# Altium PCB iMX53_BB_PCB_V1I1.PcbDoc (part 5 of 9)
Units mm, origin at the board's own origin, x right, y up, seen from the top; angles counter-clockwise.
Board outline 165 x 100.5 mm, 6 copper layers (Top, GND, SignalH, SignalV, Power, Bottom); 582 components, 590 nets, 2473 pads, 1817 vias.
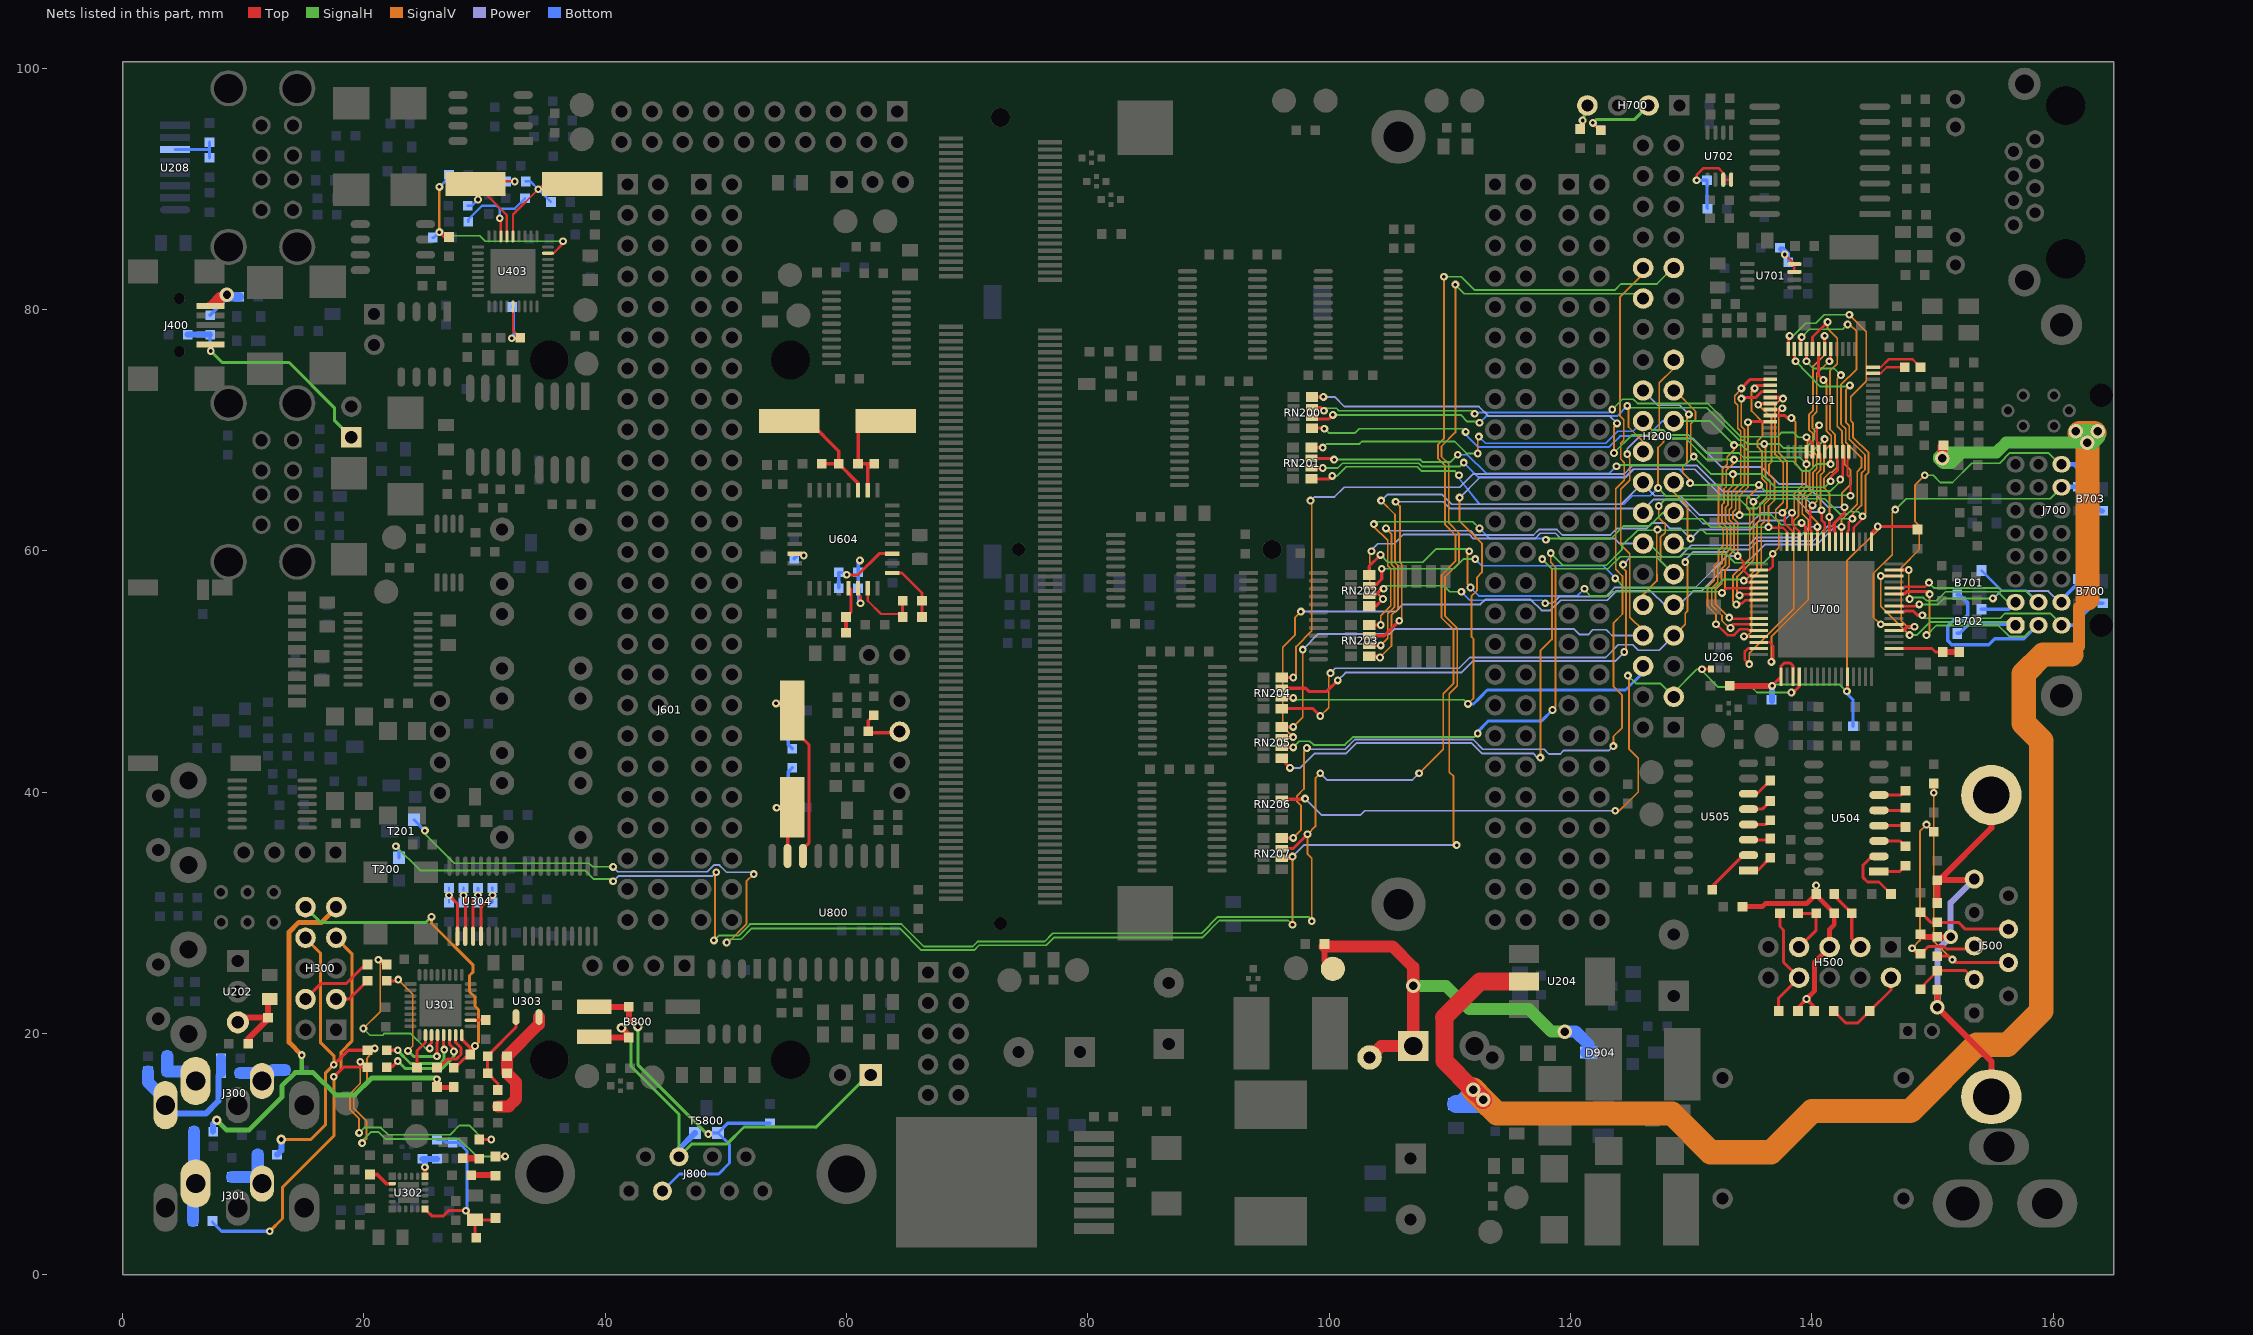
[diagram p9: the nets of this part, all layers, seen from the top]

## Via types
v1: diameter 0.65, hole 0.3, Top to Bottom, tented both sides, 1294 vias
v2: diameter 0.8, hole 0.4, Top to Bottom, tented both sides, 303 vias
v3: diameter 1.2, hole 0.7, Top to Bottom, tented both sides, 213 vias
v4: diameter 0.65, hole 0.3, Top to Bottom, 4 vias
v5: diameter 1.2, hole 0.7, Top to Bottom, 1 vias
v6: diameter 1.27, hole 0.711, Top to Bottom, tented both sides, 1 vias
v7: diameter 0.8, hole 0.4, Top to Bottom, 1 vias

## Nets (pads, with @x,y where several pads share a name; then routed paths per layer and width w, separated by ;. In a path a pad name is that pad's centre, name@x,y a point inside that pad or via, vN(x,y) a via of type N, cw(c..) or ccw(c..) an arc to the next point about the centre after c; other vN are vias at no path point) (continued)
LCLK: H200.3 RN206.7 U206.1 U700.4 | length 59.7
  Top w0.25: RN206.7@96.062,39.4 97.95,39.4 v1(98,39.45) ; v1(130.891,50.171) 130.95,50.2 U206.1@131.65,50.2 ; v1(138.3,48.25) 138.45,48.25 138.95,48.75 U700.4@138.95,49.55
  SignalH w0.15: v1(124.75,49.65) 125.4,49 127.44,49 H200.3@128.55,47.89 128.55,48.25 130.471,50.171 v1(130.891,50.171) 130.848,50.102 132.25,48.7 135,48.7 135.45,48.25 v1(138.3,48.25)
  SignalV w0.15: v1(123.7,38.45) 124.05,38.45 125.6,40 125.6,42.8 124.85,43.55 124.85,49.55 v1(124.75,49.65)
  Power w0.15: v1(98,39.45) 99.35,38.1 102.6,38.1 102.95,38.45 108.75,38.45 v1(123.7,38.45)
LDD0: RN200.8 U201.16 U700.63 | length 68.7
  Top w0.15: U700.63@135.55,51.9 U700.63@135.6,51.9
  Top w0.2: v1(134.8,50.6) 134.45,50.95 134.45,51.65 134.7,51.9 U700.63@135.55,51.9
  Top w0.25: RN200.8@98.562,72.745 v1(99.514,72.745) ; v1(139.55,67.173) U201.16@139.55,68.2
  SignalH w0.15: v1@123.55,68.1 v1@123.575,68.125 ; v1(123.6,68.1) 125.1,69.6 126.4,69.6 126.8,70 127.7,70 128.1,69.6 129.75,69.6 130.644,68.706 131.25,68.1 133.95,68.1 134.33,67.72 139.003,67.72 v1(139.55,67.173)
  SignalV w0.15: v1(123.6,68.1) 123.6,70.3 v1(123.85,70.55) ; v1(134.8,50.6) 134.8,51.5 138.5,55.2 138.5,62.5 138.9,62.9 138.9,64.676 139.5,65.276 139.5,67.123 v1(139.55,67.173)
  Power w0.15: v1(99.514,72.745) 100.455,72.745 101.25,71.95 112.4,71.95 113.2,71.15 123.25,71.15 v1(123.85,70.55)
LDD1: RN200.7 U201.17 U700.62 | length 68.3
  Top w0.15: RN200.7@98.55,71.9 RN200.7@98.562,71.9
  Top w0.2: U700.62@135.6,52.4 136.5,52.4 136.8,52.1 136.8,50.94 v1(136.641,50.78)
  Top w0.25: RN200.7@98.562,71.85 99.3,71.85 v1(99.55,71.6) ; v1(139.55,69.4) 140.05,68.9 U201.17@140.05,68.2
  SignalH w0.15: v1(99.55,71.6) 99.6,71.6 99.8,71.8 100.6,71.8 100.8,71.6 111.8,71.6 v1(112.05,71.35) ; v1(123.45,71.7) 124.3,72.55 125.2,72.55 125.55,72.2 131.35,72.2 134.1,69.45 137.15,69.45 137.5,69.8 138.45,69.8 138.85,69.4 v1(139.55,69.4)
  SignalV w0.15: v1(136.641,50.78) 136.654,50.794 136.654,52.913 139.7,55.92 139.7,62.55 139.2,63.05 139.2,64.551 139.8,65.151 139.8,66.497 139.8,66.623 140.1,66.923 140.1,67.6 139.639,68.061 139.639,69.311 v1(139.55,69.4)
  Bottom w0.15: v1(112.05,71.35) 112.4,71.45 123.2,71.45 v1(123.45,71.7)
LDD2: H200.20 RN200.6 U201.18 U700.61 | length 71.2
  Top w0.15: RN200.6@98.562,71.05 RN200.6@98.6,71.05 ; U201.18@140.5,68.25 U201.18@140.55,68.2 U201.18@140.6,68.25 ; v1@140.5,70.35 v1(140.6,70.4)
  Top w0.2: U201.18@140.55,68.2 140.55,68.95 140.4,69.1 140.4,70.2 v1(140.6,70.4)
  Top w0.25: RN200.6@98.562,71.05 98.712,70.9 99.95,70.9 v1(100.3,71.25) ; v1(134.373,52.9) U700.61@135.6,52.9
  SignalH w0.15: v1(100.3,71.25) 110.9,71.25 111.45,70.7 112.35,70.7 v1(112.45,70.6) ; v1(124.7,72) 124.85,71.85 131.276,71.85 133.976,69.15 134.35,69.15 134.65,68.85 v1(136.05,68.85) 137.3,68.85 137.65,68.5 139.45,68.5 140.2,69.25 140.2,70.05 v1(140.6,70.4)
  SignalV w0.15: v1(124.7,72) 124.8,71.9 124.8,70.25 126.01,69.04 H200.20@126.01,68.21 ; v1(134.373,52.9) 134.6,52.9 135,53.3 135,57.676 135.8,58.476 135.8,62.15 136.05,62.4 136.05,63.826 136.55,64.326 136.55,64.35 136.55,65.75 136.15,66.15 136.15,68.75 v1(136.05,68.85)
  Bottom w0.15: v1(112.45,70.6) 113,71.15 123.85,71.15 v1(124.7,72)
LDD3: H200.21 RN200.5 U201.19 U700.60 | length 67.7
  Top w0.15: U700.60@135.5,53.4 U700.60@135.6,53.4
  Top w0.2: v1@132.1,53.9 133,53 133.55,53 134.05,53.5 134.65,53.5 134.75,53.4 U700.60@135.5,53.4
  Top w0.25: RN200.5@98.562,70.155 99.545,70.155 v1(99.6,70.1) ; U201.19@141.05,68.2 v1(141.05,69.25)
  SignalH w0.15: v1(99.6,70.1) 99.65,70.1 100,69.75 102.126,69.75 102.476,70.1 111.3,70.1 111.35,70.1 v1(111.3,69.85) ; H200.21@128.55,70.74 131.56,70.74 v1(133.55,68.75) 134.2,68.75 134.755,68.195 139.995,68.195 v1(141.05,69.25)
  SignalV w0.15: v1(132.05,53.9) 132.05,54.701 131.628,55.124 131.35,55.401 131.35,57 131.9,57.55 131.9,58.75 132.25,59.1 132.25,60.001 132.65,60.401 132.65,61.799 132.25,62.199 132.25,65.15 132.6,65.5 132.6,66.776 132.989,67.165 132.989,67.789 133.55,68.35 v1(133.55,68.75)
  Bottom w0.15: v1(111.3,69.85) 111.3,69.6 112.3,68.6 123.2,68.6 124.1,69.5 126.35,69.5 127.59,70.74 H200.21@128.55,70.74
LDD4: H200.22 RN201.8 U201.20 U700.59 | length 67.4
  Top w0.15: RN201.8@98.512,68.545 RN201.8@98.55,68.545
  Top w0.2: v1(133.25,53.6) 133.45,53.9 U700.59@135.6,53.9
  Top w0.25: RN201.8@98.55,68.545 v1(99.464,68.545) ; v1(141.55,67.173) U201.20@141.55,68.2
  SignalH w0.15: v1(99.464,68.545) 99.769,68.85 102.499,68.85 102.699,69.05 110.4,69.05 111.191,68.259 111.4,68.05 v1(112.3,68.05) ; v1(127.05,69.4) 127.15,69.3 129.55,69.3 131.3,67.55 v1(133.55,67.55) 133.688,67.412 138.438,67.412 139.25,66.6 139.8,66.6 140.373,67.173 v1(141.55,67.173)
  SignalV w0.15: v1(112.3,68.05) 112.3,69.35 v1(112.4,69.45) ; H200.22@126.01,70.74 127.05,69.7 v1(127.05,69.4) ; v1(133.25,53.6) 133.15,53.6 132.55,54.2 132.55,54.626 131.7,55.476 131.7,56.9 132.2,57.4 132.2,58.6 132.55,58.95 132.55,59.877 132.95,60.277 132.95,61.923 132.55,62.323 132.55,63.8 132.711,63.961 132.711,65.111 132.9,65.3 132.9,66.65 133.55,67.3 v1(133.55,67.55)
  Bottom w0.15: v1(112.4,69.45) 112.95,68.9 122.9,68.9 123.9,69.9 125.17,69.9 H200.22@126.01,70.74
LDD5: H200.23 RN201.7 U201.21 U700.58 | length 71.1
  Top w0.15: U201.21@142.05,68.2 U201.21@142.1,68.15
  Top w0.2: v1(133.15,54.45) 133.25,54.35 134.65,54.35 134.7,54.4 U700.58@135.6,54.4 ; v1(141.55,65.75) 141.55,66.1 142.15,66.7 142.15,67.5 142.05,67.6 U201.21@142.05,68.2
  Top w0.25: RN201.7@98.512,67.65 100.3,67.65 v1(100.4,67.55)
  SignalH w0.15: v1(100.4,67.55) 107.549,67.55 107.754,67.344 ; 107.754,67.344 110.044,67.344 v1(110.65,67.95) ; v1(123.8,67) 123.9,67.1 129.5,67.1 v1(130.2,67.8) 131.65,66.35 v1(133.45,66.35) 135.85,66.35 136.95,65.25 141.05,65.25 v1(141.55,65.75)
  SignalV w0.15: H200.23@128.55,73.28 128.62,73.28 130.35,71.55 130.35,70.916 129.95,70.516 129.95,68.1 v1(130.2,67.8) ; v1(133.15,54.45) 132,55.6 132,56.75 132.5,57.25 132.5,58.476 132.85,58.826 132.85,59.753 133.25,60.153 133.25,62.047 132.85,62.447 132.85,63.6 133.036,63.786 133.036,64.986 133.45,65.4 v1(133.45,66.35)
  Bottom w0.15: v1(110.65,67.95) 111.45,67.95 113,66.4 123.2,66.4 v1(123.8,67)
LDD6: H200.24 RN201.6 U201.22 U700.55 | length 73.6
  Top w0.15: v1(133.74,55.537) v1@133.85,55.45
  Top w0.2: v1(133.74,55.537) 133.781,55.65 134.25,55.65 134.5,55.9 U700.55@135.6,55.9 ; v1(142.35,65.9) 142.55,66.1 U201.22@142.55,68.2
  Top w0.25: RN201.6@98.512,66.85 v1(99.464,66.85)
  SignalH w0.15: v1(99.464,66.85) 100.7,66.85 101.1,67.25 107.424,67.25 107.703,66.971 110.821,66.971 v1(111.15,67.3) ; v1(129.901,65.599) 130.05,65.45 v1(135.6,65.45) 136.1,64.95 141.55,64.95 142.129,65.529 142.35,65.75 v1(142.35,65.9)
  SignalV w0.15: H200.24@126.01,73.28 H200.24@126.52,73.28 ; v1(129.8,71.3) 129.65,71.15 129.65,67.35 129.3,67 129.3,66.45 129.901,65.849 v1(129.901,65.599) ; v1@133.6,55.5 v1(133.74,55.537) 133.45,55.735 133.45,57.924 134.85,59.324 134.85,61.4 134.85,63.324 134.6,63.574 134.6,64.3 135.649,65.349 v1(135.6,65.45)
  Power w0.15: H200.24@126.01,73.28 127.24,72.05 129.05,72.05 v1(129.8,71.3)
  Bottom w0.15: v1(111.15,67.3) 112.35,66.1 124.5,66.1 125.15,66.75 129,66.75 129.901,65.849 v1(129.901,65.599)
LDD7: H200.25 RN201.5 U201.23 U700.54 | length 73.4
  Top w0.15: U201.23@143,68.15 U201.23@143.05,68.2 ; v1@143.15,64.6 v1(143.2,64.55)
  Top w0.2: v1(134,56.3) 134.1,56.4 U700.54@135.6,56.4 ; U201.23@143.05,68.2 143.05,67.6 142.95,67.5 142.95,66.25 143.2,66 v1(143.2,64.55)
  Top w0.25: RN201.5@98.512,65.955 100.005,65.955 v1(100.25,66.2)
  SignalH w0.15: v1(100.25,66.2) 100.65,66.2 101.4,66.95 107.3,66.95 107.658,66.592 110.408,66.592 v1(110.75,66.25) ; v1(127.25,65.2) 127.9,64.55 134.65,64.55 v1(135.15,64.05) 135.7,64.6 143.15,64.6 v1(143.2,64.55)
  SignalV w0.15: v1(127.25,65.2) 127.25,68.55 127.7,69 127.7,69.75 127.35,70.1 127.35,73.9 128.55,75.1 H200.25@128.55,75.82 ; v1(134,56.3) 133.8,56.5 133.8,57.85 135.15,59.2 135.15,60.7 v1(135.15,64.05)
  Bottom w0.15: v1(110.75,66.25) 110.724,66.03 112.45,63.85 124.4,63.85 125.1,64.55 126.6,64.55 v1(127.25,65.2)
LDD8: RN202.8 U201.3 U700.53 | length 59.5
  Top w0.2: v1(132.55,56.5) 132.95,56.9 U700.53@135.6,56.9
  Top w0.25: RN202.8@103.3,57.95 103.3,57.995 103.3,58.7 v1(104.25,59.65) ; v1(134.15,73.45) 134.9,74.2 U201.3@136.55,74.2
  SignalH w0.15: v1(104.25,59.65) 104.852,59.048 107.748,59.048 108.85,60.15 111.4,60.15 v1(111.6,59.95) ; v1(121.15,56.85) 121.638,56.25 123.15,56.25 123.5,56.6 132.5,56.6 132.575,56.525 132.6,56.5 v1(132.55,56.5)
  SignalV w0.15: v1(111.6,59.95) 111.45,59.8 111.45,57.25 v1@111.7,57 ; v1(132.55,56.5) 132.8,56.75 132.8,58.351 132.864,58.416 133.15,58.701 133.15,59.629 133.55,60.029 133.55,62.171 133.15,62.571 133.15,63.4 133.36,63.61 133.36,64.86 134.1,65.6 134.1,69.9 133.85,70.15 133.85,72.05 133.6,72.3 133.6,72.85 v1@134.15,73.4
  Bottom w0.15: v1(111.7,56.95) 112.4,56.25 120.55,56.25 v1(121.15,56.85)
LDD9: RN202.7 U201.4 U700.52 | length 54.5
  Top w0.2: v1(134.35,57.517) 134.35,57.4 U700.52@135.6,57.4
  Top w0.25: RN202.7@103.312,57.1 103.8,57.1 104.35,57.65 v1(104.35,58.5) ; v1(135.25,73.45) 135.4,73.7 U201.4@136.55,73.7
  SignalH w0.15: v1(104.35,58.5) 110.3,58.5 111.1,59.3 v1(112.1,59.3) ; v1(123.7,57.7) 124.5,56.9 131.95,56.9 132.65,57.6 134,57.6 v1(134.35,57.517)
  SignalV w0.15: v1(134.35,57.517) 134.3,57.4 134.384,57.484 135.45,58.55 135.45,60.6 135.45,62.25 135.7,62.5 135.7,63.9 136.25,64.45 136.25,65.6 135.85,66 135.85,68.25 135.5,68.6 135.5,69.1 135.9,69.5 135.9,70.674 135,71.574 135,73.2 v1(135.25,73.45)
  Bottom w0.15: v1(112.1,59.3) 112.65,58.75 122.7,58.75 123.7,57.75 v1(123.7,57.7)
LDD10: H200.13 RN202.6 U201.5 U700.51 | length 58
  Top w0.2: v1(133.85,59.55) 134.35,59.05 134.35,58.35 134.8,57.9 U700.51@135.6,57.9
  Top w0.25: RN202.6@103.312,56.3 103.8,56.3 104.35,56.85 v1(104.5,56.85) ; v1(134.15,72.6) 134.5,72.7 135.35,72.7 135.85,73.2 U201.5@136.55,73.2
  SignalH w0.15: v1(104.5,56.85) 104.75,57.1 109.5,57.1 110,56.6 v1(110.95,56.6) ; H200.13@128.55,60.59 128.966,60.174 133.226,60.174 v1(133.85,59.55)
  SignalV w0.15: v1(133.85,59.55) 133.85,62.3 133.638,62.512 133.45,62.7 133.45,63.2 133.69,63.44 133.69,64.69 134.4,65.4 134.4,70.05 134.15,70.3 v1(134.15,72.6)
  Power w0.15: v1(117.9,55.65) 118.5,55.65 119.05,56.2 122.9,56.2 123.65,56.95 130.35,56.95 132.95,59.55 v1(133.85,59.55)
  Bottom w0.15: v1(110.95,56.6) 111.65,55.9 117.65,55.9 v1(117.9,55.65)
LDD11: H200.14 RN202.5 U201.6 U700.50 | length 58.8
  Top w0.2: U700.50@135.6,58.4 136.45,58.4 136.75,58.7 v1(136.75,59.75)
  Top w0.25: RN202.5@103.312,55.405 103.855,55.405 v1(104.45,56)
  Top w0.3: U201.6@136.55,72.7 137.5,72.7 v1(137.6,72.6)
  SignalH w0.15: H200.14@126.01,60.59 126.51,60.59 127.6,59.5 129.15,59.5 129.35,59.7 132.9,59.7 133.604,58.996 135.996,58.996 v1(136.75,59.75)
  SignalV w0.15: v1(103.5,59.95) 103.35,59.8 103.35,57.1 v1(104.45,56) ; v1(136.75,59.75) 137.25,60.25 137.25,62.45 137,62.7 137,63.4 137.625,64.025 137.625,67.301 136.95,67.976 136.95,72.1 137.45,72.6 v1(137.6,72.6)
  Power w0.15: v1@103.575,60.125 104.027,60.577 105.377,60.577 106.15,61.35 111.6,61.35 111.95,61 117.05,61 117.5,61.45 118.75,61.45 119.2,61 123.65,61 124.06,60.59 H200.14@126.01,60.59
LDD12: H200.15 RN203.8 U201.7 U700.47 | length 60.3
  Top w0.2: v1(136.4,61.95) 136.2,61.9 136.4,61.9 137.6,61.9 137.95,61.55 U700.47@137.95,60.75
  Top w0.25: RN203.8@103.312,53.845 v1(104.264,53.845) ; v1(135.55,72.1) 135.45,72.2 135.55,72.2 U201.7@136.55,72.2
  SignalH w0.15: v1(103.7,62.2) 103.75,62.2 103.95,62.4 111.9,62.4 v1(112.45,61.85) ; v1@117.8,60.9 117.875,60.975 117.9,61 117.95,61 123.35,61 124.4,62.05 126.55,62.05 127.63,63.13 H200.15@128.55,63.13 129.03,62.65 130.9,62.65 131.6,61.95 v1(136.4,61.95)
  SignalV w0.15: v1(103.7,62.2) 103.7,62 104.85,60.85 104.85,58.75 105.1,58.5 105.1,55.45 104.264,54.614 v1(104.264,53.845) ; v1(135.55,72.1) 136.65,71 136.65,67.35 136.45,67.15 136.45,66.3 136.9,65.85 136.9,64.194 136.4,63.694 v1(136.4,61.95)
  Bottom w0.15: v1(112.45,61.85) 113.3,61 117.7,61 v1@117.8,60.9
  other v1: 117.95,60.9
LDD13: H200.16 RN203.7 U201.8 U700.46 | length 60.1
  Top w0.2: v1(137.55,63.15) 137.75,62.95 137.75,62.25 138.45,61.55 U700.46@138.45,60.75
  Top w0.25: RN203.7@103.312,52.95 104.55,52.95 v1(105.8,54.2) ; U201.8@136.55,71.7 v1@137.55,71.7
  SignalV w0.15: v1(105.5,64.05) 105.85,63.7 105.85,59.023 106,58.873 106,54.4 v1(105.8,54.2) ; v1(137.55,63.15) 137.925,63.525 137.925,67.425 137.25,68.1 137.25,71.5 v1(137.55,71.8)
  Power w0.15: v1(105.5,64.05) 109.45,64.05 110,63.5 125.64,63.5 H200.16@126.01,63.13 ; H200.16@126.01,63.36 126.9,64.25 128.976,64.25 130.976,62.25 134.9,62.25 135.8,63.15 v1(137.55,63.15)
LDD14: H200.17 RN203.6 U201.9 U700.45 | length 65.8
  Top w0.2: v1(138.35,63.15) 138.358,63.142 138.358,62.192 138.95,61.6 U700.45@138.95,60.75
  Top w0.25: RN203.6@103.312,52.15 v1(104.264,52.15) ; U201.9@136.55,71.2 137.75,71.2 137.95,71 v1(138.3,71)
  SignalV w0.15: v1(104.264,52.15) 104.85,52.736 104.85,54.776 105.4,55.326 105.4,58.624 105.15,58.874 105.15,61.4 v1(104.7,61.85) ; H200.17@128.55,65.67 128.55,64.85 129.7,63.7 129.7,61.25 v1(129.95,61) ; v1(138.3,71) 138.65,70.65 138.65,67.15 139.2,66.6 139.2,65.4 138.528,64.728 138.528,63.328 v1(138.35,63.15)
  Power w0.15: v1(104.7,61.85) 104.9,61.65 111.724,61.65 112.074,61.3 116.926,61.3 117.376,61.75 118.874,61.75 119.324,61.3 123.3,61.3 123.85,61.85 126.3,61.85 126.75,62.3 127.75,62.3 128.2,61.85 129.1,61.85 v1(129.95,61) 130.7,61.75 134.9,61.75 135.65,62.5 137.7,62.5 v1(138.35,63.15)
LDD15: H200.18 RN203.5 U201.10 U700.44 | length 64.5
  Top w0.15: v1(134.7,70.65) v1@134.75,70.7 ; U201.10@136.5,70.65 U201.10@136.55,70.7 ; U700.44@139.45,60.75 U700.44@139.45,60.8
  Top w0.25: RN203.5@103.312,51.255 104.095,51.255 v1(104.2,51.15) ; v1@134.75,70.7 U201.10@136.55,70.7 ; v1(139.15,62.3) 139.45,62 U700.44@139.45,60.8
  SignalH w0.15: v1@134.044,62.994 136.606,62.994 137.45,62.15 139,62.15 v1(139.15,62.3)
  SignalV w0.15: v1(104.2,51.15) 105.15,52.1 105.15,54.651 105.7,55.201 105.7,58.749 105.45,58.999 105.45,63 v1(104.3,64.15) ; v1(134,62.95) 134,64.55 134.7,65.25 v1(134.7,70.65)
  Power w0.15: v1(104.3,64.15) 104.8,64.65 109.35,64.65 110.15,63.85 124.19,63.85 124.492,64.152 H200.18@126.01,65.67 126.01,65.519 126.979,64.55 129.1,64.55 130.007,63.643 130.7,62.95 v1(134,62.95)
LDD16: RN204.8 U201.41 U700.43 | length 77.7
  Top w0.2: U700.43@139.95,60.75 139.95,61.65 139.85,61.75 139.85,63.55 v1(140.05,63.75) ; v1(141.45,75.7) 141.55,75.8 U201.41@141.55,76.7
  Top w0.25: RN204.8@96.062,49.495 v1(97.014,49.495)
  SignalV w0.15: v1(97.014,49.495) 97.25,49.731 97.25,52.05 98.55,53.35 98.55,64.05 v1(98.45,64.15) ; v1(140.05,63.75) 140.4,64.1 140.4,66.249 140.4,66.374 140.7,66.674 140.7,68.024 140.4,68.324 140.4,69.8 140.05,70.15 140.05,71.15 140.4,71.5 140.4,74.7 141.373,75.673 v1(141.45,75.7)
  Power w0.15: v1(98.45,64.15) 98.75,64.45 100.426,64.45 101.226,65.25 110.8,65.25 111.9,66.35 124.426,66.35 125.126,67.05 130.5,67.05 132.65,64.9 138.9,64.9 139.518,64.282 v1(140.05,63.75)
LDD17: RN204.7 U201.42 U700.42 | length 74.3
  Top w0.25: RN204.7@96.062,48.6 98.05,48.6 98.3,48.35 99.8,48.35 v1(100.7,49.25) ; U700.42@140.45,60.75 v1(140.45,61.977) ; U201.42@141.05,76.7 v1@141.05,77.727
  SignalV w0.15: v1(124.35,58.85) 124.344,58.535 124.6,58.279 124.6,51.75 v1(124.45,51.6) ; v1(140.45,61.977) 140.45,62.35 139.5,63.3 139.5,64.35 140.1,64.95 140.1,66.373 140.1,66.499 140.4,66.799 140.4,67.9 140.1,68.2 140.1,69.676 139.75,70.026 139.75,71.274 140.1,71.624 140.1,75.3 141.05,76.25 v1(141.05,77.8)
  Power w0.15: v1(100.7,49.25) 101.35,49.9 110.95,49.9 111.9,50.85 123.7,50.85 v1(124.45,51.6) ; v1(124.35,58.85) 125,59.5 129.05,59.5 130,60.45 134.751,60.45 135.401,61.1 138.95,61.1 139.827,61.977 v1(140.45,61.977)
LDD18: H200.6 RN204.6 U201.43 U700.41 | length 99.7
  Top w0.2: v1(140.8,63.35) 140.8,62.55 141.05,62.3 141.05,61.7 140.95,61.6 U700.41@140.95,60.75
  Top w0.25: RN204.6@96.062,47.8 v1(97.014,47.8) ; U201.43@140.55,76.7 140.55,74.55 v1(140.95,74.15)
  SignalH w0.15: v1(97.014,47.8) 97.164,47.65 111.15,47.65 v1(111.5,47.3)
  SignalV w0.15: v1(110.8,64.4) 110.8,62.45 112.65,60.6 112.65,58.2 112.25,57.8 112.25,56.7 111.8,56.25 111.8,52.85 111.956,52.694 111.956,47.756 v1(111.5,47.3) ; v1(140.8,63.35) 140.7,63.45 140.7,66.25 141,66.55 141,68.25 141.6,68.85 141.6,69.527 141.2,69.927 141.2,73.9 v1(140.95,74.15)
  Power w0.15: v1(110.8,64.4) 112.45,66.05 124.55,66.05 125.25,66.75 130.3,66.75 132.45,64.6 138.4,64.6 139.8,63.2 140.6,63.2 v1@140.75,63.35
  Bottom w0.15: 113.4,48.45 113.45,48.5
  Bottom w0.25: v1(111.5,47.3) 111.95,47.3 112.429,47.779 113.1,48.45 124.55,48.45 126.01,49.91 H200.6@126.01,50.43
LDD19: H200.7 RN204.5 U201.44 U700.40 | length 80.7
  Top w0.15: RN204.5@96,46.9 96.062,46.9 96.067,46.9 RN204.5@96.062,46.905 ; v1@141.25,78.95 v1(141.3,78.95)
  Top w0.25: RN204.5@96.062,46.905 98.645,46.905 v1(99.25,46.3) ; U201.44@140.05,76.7 140.05,77.7 v1(141.3,78.95) ; U700.40@141.45,60.75 v1(141.45,62.794)
  SignalV w0.15: v1(99.25,46.3) 99.95,47 99.95,49.7 v1(100.1,49.85) ; H200.7@128.55,52.97 129.499,53.919 129.499,54.599 129.5,54.6 129.5,54.824 129.7,55.024 129.7,58.8 v1(129.5,59.05) ; v1(141.3,78.95) 141.3,78.4 142.1,77.6 142.1,75.5 141.5,74.9 141.5,70.051 141.9,69.651 141.9,68.627 142.1,68.427 142.1,66.901 ; v1(141.45,62.794) 141.45,64.75 141,65.2 141,66 141.5,66.5 141.7,66.5 142.101,66.901
  Power w0.15: v1(100.1,49.85) 100.5,50.25 110.75,50.25 111.65,51.15 122.9,51.15 123.95,52.2 125.15,52.2 125.6,51.75 127.33,51.75 H200.7@128.55,52.97 ; v1(129.5,59.05) 129.55,59.3 130.138,59.888 132.938,59.888 133.15,60.1 134.826,60.1 135.526,60.8 140.1,60.8 141.45,62.15 v1(141.45,62.794)
LDD20: H200.8 RN205.8 U201.45 U700.39 | length 94.6
  Top w0.25: RN205.8@96.062,45.395 v1(97.014,45.395) ; v1(139.55,75.7) U201.45@139.55,76.7 ; U700.39@141.95,60.75 141.95,61.55 141.85,61.65 141.85,62.3 142.7,63.15 v1(142.7,63.6)
  SignalH w0.15: v1(139.55,75.7) 140.123,75.1 141.85,75.1 v1(142.4,74.55)
  SignalV w0.15: v1(97.014,45.395) 97.8,46.181 v1(97.8,51.8) v1@97.75,51.75 ; v1(124.7,68) 124.9,67.6 124.9,65.85 124.15,65.1 124.15,60.5 124.9,59.75 124.9,54.5 126.01,53.39 H200.8@126.01,52.97 ; v1(142.4,74.55) 142.1,74.25 142.1,70.3 142.5,69.9 142.5,68.876 142.7,68.676 142.7,67.15 143.2,66.65 143.2,65.5 142.5,64.8 142.5,63.8 v1(142.7,63.6)
  Power w0.15: v1(97.8,51.8) 99.1,53.1 105,53.1 105.4,53.5 120.3,53.5 120.75,53.05 121.45,53.05 121.85,53.45 122.95,53.45 123.43,52.97 H200.8@126.01,52.97 ; v1(124.7,68) 124.7,68.45 125.808,69.558 126.408,69.558 126.8,69.95 127.7,69.95 128.35,69.3 130.15,69.3 132.519,66.931 135.85,66.931 137.25,65.531 139.419,65.531 141.35,63.6 v1(142.7,63.6)
LDD21: H200.9 RN205.7 U201.46 U700.38 | length 87.1
  Top w0.15: U201.46@139.05,76.7 U201.46@139.05,76.75
  Top w0.25: RN205.7@96.062,44.5 96.95,44.5 v1(97,44.55) ; U201.46@139.05,76.75 139.05,77.7 v1(139.15,77.7) ; U700.38@142.45,60.75 v1(142.45,61.977)
  SignalH w0.15: v1(139.15,77.7) 139.8,78.35 142.566,78.35 v1(142.962,78.746)
  SignalV w0.15: v1(97,44.55) 96.15,45.4 96.15,52 97.15,53 97.15,54.45 v1(97.65,54.95) ; v1(142.45,61.977) 142.45,62.55 143.75,63.85 143.75,66.55 144.1,66.9 144.1,67.7 142.8,69 142.8,70.1 142.4,70.5 142.4,73.75 143.7,75.05 143.7,78.184 v1@143.144,78.739 ; v1@143.144,78.739 v1(142.962,78.746) 143.137,78.746 v1@143.144,78.739
  Power w0.15: v1(97.65,54.95) 105.5,54.95 106.1,55.55 112.524,55.55 112.924,55.95 116.7,55.95 117.6,55.05 118.324,55.05 119.174,55.9 123.024,55.9 123.774,56.65 126.65,56.65 127.79,55.51 H200.9@128.55,55.51 ; H200.9@129.01,55.51 130.15,56.65 130.824,56.65 132.574,58.4 134,58.4 136.1,60.5 140.4,60.5 141.877,61.977 v1(142.45,61.977)
LDD22: H200.10 RN205.6 U201.47 U700.37 | length 92.2
  Top w0.15: U700.37@142.95,60.75 U700.37@142.95,60.8
  Top w0.2: U700.37@142.95,60.8 142.95,61.6 143.05,61.7 143.05,62.35 v1(143.35,62.65)
  Top w0.25: RN205.6@96.062,43.7 v1(97.014,43.7) ; U201.47@138.55,76.7 138.55,75.75 v1(138.65,75.7)
  SignalH w0.15: v1(97.014,43.7) 97.514,44.2 98.4,44.2 98.7,43.9 101.3,43.9 101.95,44.55 112,44.55 v1(112.3,44.85) ; v1(118.35,59.8) 119.35,58.8 122.976,58.8 124.25,60.075 124.25,60.4 125.55,61.7 v1@127.15,61.7 ; v1@127.2,61.7 130.95,61.7 131.25,61.4 141,61.4 142.25,62.65 v1(143.35,62.65) ; v1(138.65,75.7) 140.7,73.6 143.1,73.6 v1(143.15,73.7)
  SignalV w0.15: v1(118.35,59.8) 118.35,59.024 118.75,58.624 118.75,47.05 v1(118.5,46.8) ; H200.10@126.01,55.51 126.01,56.36 127.15,57.5 127.15,58.053 ; 127.147,58.053 v1@127.147,61.697 ; v1(143.15,73.7) 142.816,73.316 142.816,70.634 143.1,70.35 143.1,69.25 144.4,67.95 144.4,66.7 144.1,66.4 144.1,63.75 143.35,63 v1(143.35,62.65)